# KiCad board backplane.kicad_pcb (continued)
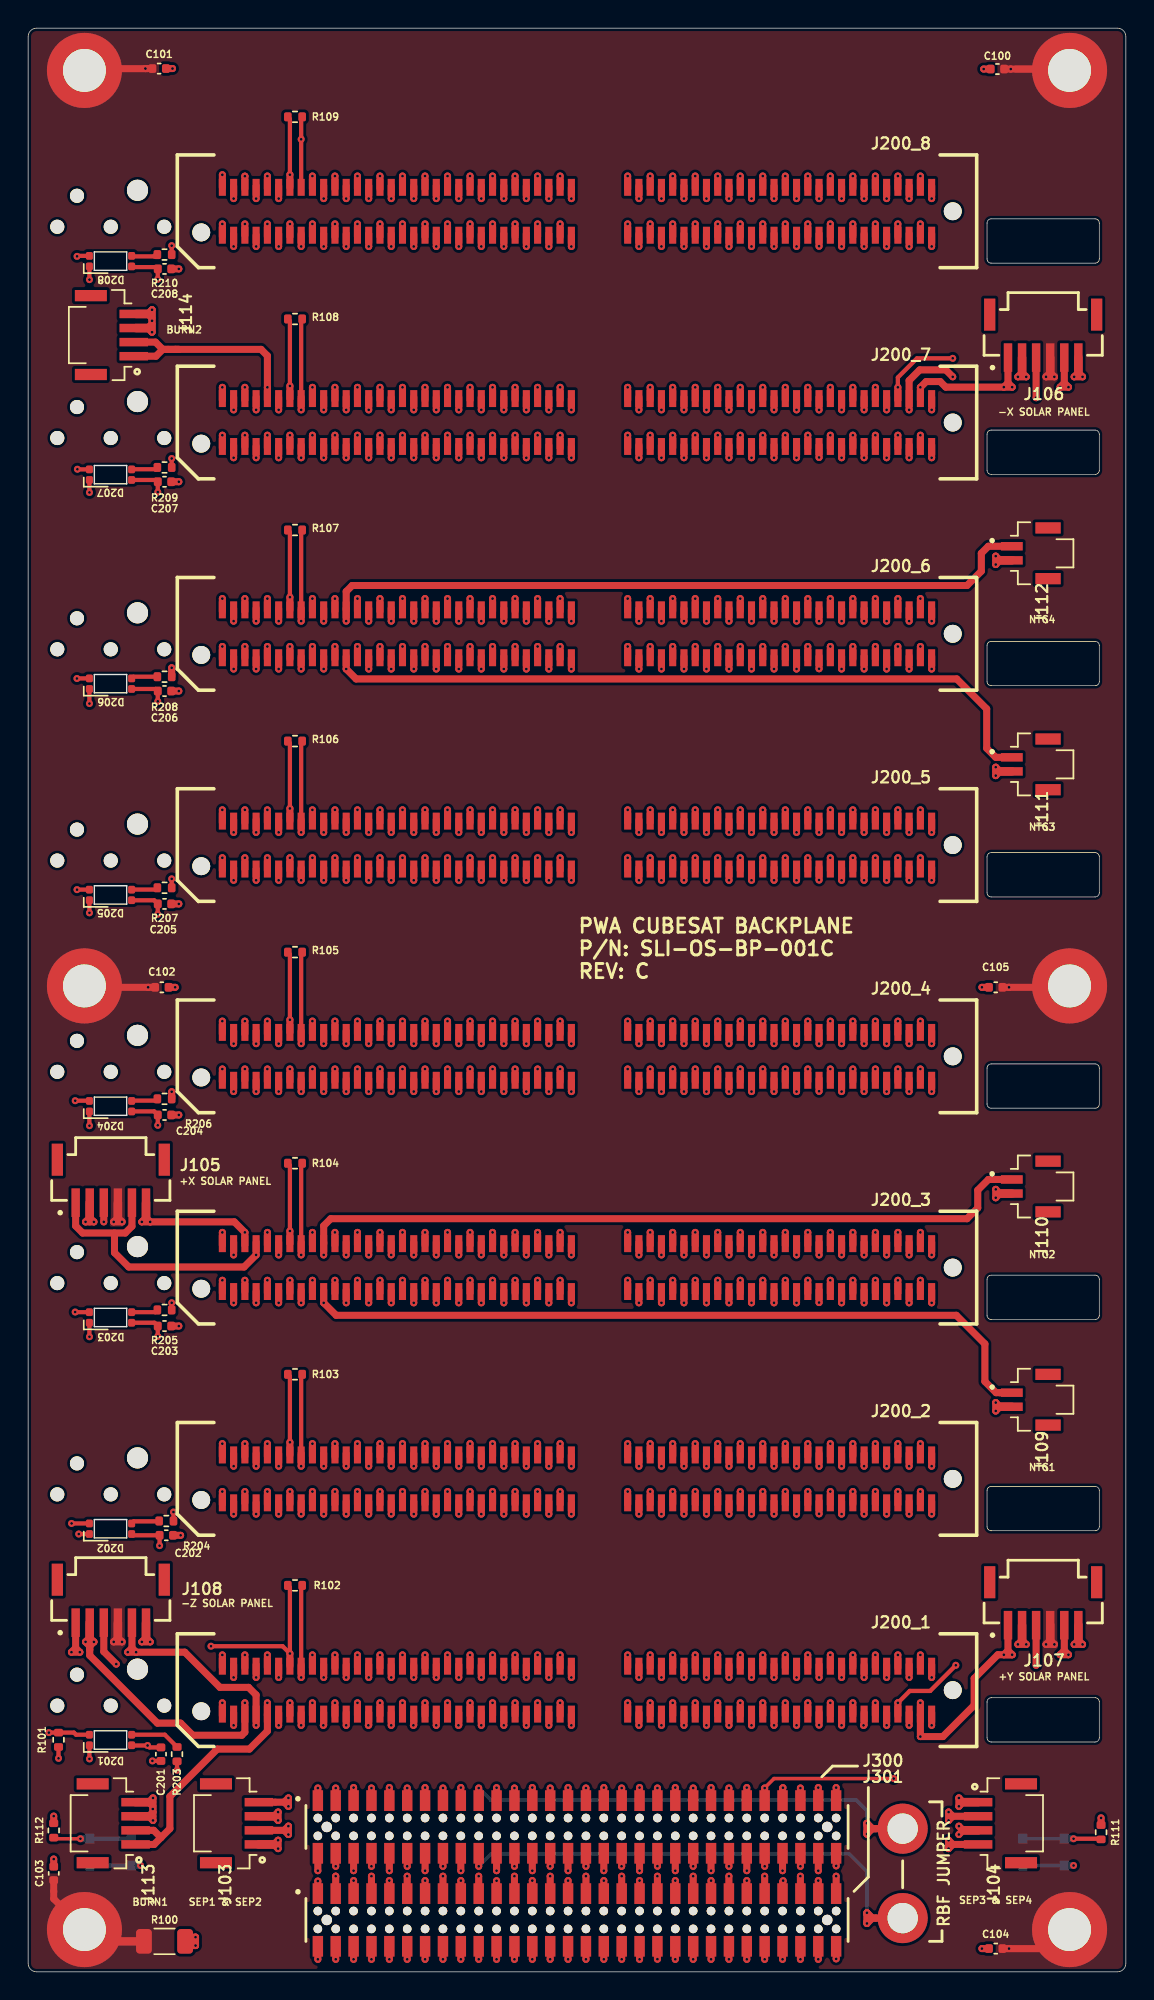
[diagram p0: board, top side]
## Routing (per net, layer and track width the routed paths; a pad name or vN(x,y) marks a point on that pad's centre or on a via; arc(x,y) is an arc through that point) (continued)
  In2.Cu w0.25: v1(22.6,20.9) 22.6,18.94 23.18,18.36 23.18,16.42 26.3,13.3 26.3,1.52 v1(26.94,0.89)
  In2.Cu w0.5: 22.6,110.9 22.6,108.68 21.8,107.87 21.8,107.3 22.6,106.5 v1(22.6,95.9) 22.6,93.68 21.8,92.87 21.8,92.3 22.6,91.5 v1(22.6,80.9) 22.6,78.68 21.8,77.87 21.8,77.3 22.6,76.5 v1(22.6,65.9) 22.6,63.68 21.8,62.87 21.8,62.3 22.6,61.5 v1(22.6,50.9) 22.6,48.68 21.8,47.87 21.8,47.3 22.6,46.5 v1(22.6,35.9) 22.6,33.68 21.8,32.87 21.8,32.3 22.6,31.5 v1(22.6,20.9) ; v1(22.6,125.9) 22.6,123.68 21.8,122.87 21.8,122.3 22.6,121.5 v1(22.6,110.9)
/RBF: length 163.8
  Top w0.5: v1(28.2,124.1) 28.2,123.2 ; v1(28.2,19.1) 28.2,18.2 ; 59.98,10.16 v1(59.6,9.78) ; 59.98,10.16 60.24,10.16 ; 59.98,10.16 v1(59.6,10.55) ; v1(59.6,9.78) v1(59.6,10.55) ; v1(59.6,9.78) 59.6,9.91 59.86,10.16 ; v1(28.2,109.1) 28.2,108.2 ; v1(59.6,10.55) 59.6,10.42 59.86,10.16 ; 59.86,10.16 60.24,10.16 ; v1(28.2,34.1) 28.2,33.2 ; v1(28.2,79.1) 28.2,78.2 ; P100.1 60.24,10.16 ; v1(28.2,94.1) 28.2,93.2 ; v1(28.2,64.1) 28.2,63.2 ; v1(28.2,49.1) 28.2,48.2 ; J300.19 v1(32.02,13.05)
  In1.Cu w0.25: v1(28.2,19.1) 28.2,16.86 v1(32.02,13.05)
  In1.Cu w0.5: v1(28.2,19.1) 28.2,21.3 29,22.1 29,31.5 28.2,32.3 v1(28.2,34.1) 28.2,36.3 29,37.1 29,46.5 ; v1(28.2,124.1) 28.2,122.3 29,121.5 29,112.1 28.2,111.3 v1(28.2,109.1) 28.2,107.3 29,106.5 29,97.1 28.2,96.3 v1(28.2,94.1) 28.2,92.3 29,91.5 29,82.1 28.2,81.3 v1(28.2,79.1) 28.2,77.3 29,76.5 29,67.1 28.2,66.3 v1(28.2,64.1) 28.2,62.3 29,61.5 29,52.1 28.2,51.3 v1(28.2,49.1) 28.2,47.3 29,46.5
  Bottom w0.25: v1(59.6,10.55) 59.6,11.44 58.84,12.2 32.87,12.2 v1(32.02,13.05)
  Bottom w0.5: P100.1 59.98,10.16 ; 59.98,10.16 v1(59.6,9.78) v1(59.6,10.55) 59.98,10.16
/RBF_RET: length 175
  Top w0.5: v1(28.2,22.5) 28.2,21.6 ; J300.20 v1(32.02,7.49) ; 59.86,3.81 59.6,4.07 v1(59.6,4.2) ; 59.86,3.81 60.24,3.81 ; 59.86,3.81 59.6,3.56 v1(59.6,3.43) ; 59.98,3.81 v1(59.6,3.43) ; 59.98,3.81 60.24,3.81 ; 59.98,3.81 v1(59.6,4.2) ; v1(59.6,3.43) v1(59.6,4.2) ; v1(28.2,82.5) 28.2,81.6 ; 60.24,3.81 P101.1 ; v1(28.2,67.5) 28.2,66.6 ; v1(28.2,127.5) 28.2,126.6 ; v1(28.2,97.5) 28.2,96.6 ; v1(28.2,37.5) 28.2,36.6 ; v1(28.2,112.5) 28.2,111.6 ; v1(28.2,52.5) 28.2,51.6
  In3.Cu w0.25: v1(32.02,7.49) 31.38,8.13 31.38,15.42 29.58,17.22 29.58,18.06 28.78,18.86 28.78,19.38 28.2,19.95 v1(28.2,22.5)
  In3.Cu w0.5: v1(28.2,22.5) 28.2,32.87 29,33.67 29,34.65 28.2,35.5 v1(28.2,37.5) 28.2,47.87 29,48.67 29,49.65 28.2,50.5 v1(28.2,52.5) 28.2,62.87 29,63.67 29,64.65 28.2,65.5 v1(28.2,67.5) 28.2,77.87 29,78.67 29,79.65 28.2,80.5 v1(28.2,82.5) 28.2,92.87 29,93.67 29,94.65 28.2,95.5 v1(28.2,97.5) 28.2,107.87 29,108.67 29,109.65 28.2,110.5 v1(28.2,112.5) 28.2,122.87 29,123.67 29,124.65 28.2,125.5 v1(28.2,127.5)
  Bottom w0.25: v1(32.02,7.49) 32.91,8.39 58.33,8.39 59.6,7.12 v1(59.6,4.2)
  Bottom w0.5: 59.98,3.81 v1(59.6,3.43) v1(59.6,4.2) 59.98,3.81 ; 59.98,3.81 P101.1
/SELF_TEST: length 151.7
  Top w0.25: v1(52.33,13.05) 52.33,13.06 53,13.72 v1(61.51,13.72)
  Top w0.5: v1(57,19.1) 57,18.2 ; v1(57,109.1) 57,108.2 ; v1(57,79.1) 57,78.2 ; J300.51 v1(52.33,13.05) ; v1(57,34.1) 57,33.2 ; R111.2 v1(76.24,10.93) ; v1(57,49.1) 57,48.2 ; v1(57,64.1) 57,63.2 ; v1(57,94.1) 57,93.2 ; v1(57,124.1) 57,123.2
  In1.Cu w0.25: v1(52.33,13.05) 55.91,16.62 56.16,16.62 57,17.46 v1(57,19.1) ; v1(61.51,13.72) 73.44,13.72 v1(76.24,10.93)
  In1.Cu w0.5: 57.8,46.5 57,47.3 v1(57,49.1) 57,51.3 57.8,52.1 57.8,61.5 57,62.3 v1(57,64.1) 57,66.3 57.8,67.1 57.8,76.5 57,77.3 v1(57,79.1) 57,81.3 57.8,82.1 57.8,91.5 57,92.3 v1(57,94.1) 57,96.3 57.8,97.1 57.8,106.5 57,107.3 v1(57,109.1) 57,111.3 57.8,112.1 57.8,121.5 57,122.3 v1(57,124.1) ; 57.8,46.5 57.8,37.1 57,36.3 v1(57,34.1) 57,32.3 57.8,31.5 57.8,22.1 57,21.3 v1(57,19.1)
/SEP1: length 135.7
  Top w0.5: v1(13.8,124.1) 13.8,123.2 ; v1(13.8,19.1) 13.8,18.2 ; v1(13.8,49.1) 13.8,48.2 ; v1(13.8,64.1) 13.8,63.2 ; 20.58,12.16 v1(20.58,13.05) ; v1(13.8,34.1) 13.8,33.2 ; v1(13.8,109.1) 13.8,108.2 ; v1(13.8,94.1) 13.8,93.2 ; v1(13.8,79.1) 13.8,78.2 ; v1(17.76,9.34) 17.46,9.05 v1(17.76,8.75) v1(17.76,9.34)
  Top w0.6: 17.46,9.05 J103.1
  In1.Cu w0.25: 17.4,13.05 13.8,16.65 v1(13.8,19.1) ; 17.4,13.05 17.06,12.71 17.06,10.05 v1(17.76,9.34) ; 17.4,13.05 v1(20.58,13.05)
  In1.Cu w0.5: 14.6,46.5 14.6,37.1 13.8,36.3 v1(13.8,34.1) 13.8,32.3 14.6,31.5 14.6,22.1 13.8,21.3 v1(13.8,19.1) ; v1(13.8,124.1) 13.8,122.3 14.6,121.5 14.6,112.1 13.8,111.3 v1(13.8,109.1) 13.8,107.3 14.6,106.5 14.6,97.1 13.8,96.3 v1(13.8,94.1) 13.8,92.3 14.6,91.5 14.6,82.1 13.8,81.3 v1(13.8,79.1) 13.8,77.3 14.6,76.5 14.6,67.1 13.8,66.3 v1(13.8,64.1) 13.8,62.3 14.6,61.5 14.6,52.1 13.8,51.3 v1(13.8,49.1) 13.8,47.3 14.6,46.5 ; v1(17.76,8.75) v1(17.76,9.34)
/SEP1_RET: length 138.5
  Top w0.5: v1(18.6,124.1) 18.6,123.2 ; v1(18.6,19.1) 18.6,18.2 ; J300.7 v1(24.39,13.05) ; 18.07,10.05 J103.2 ; v1(18.6,79.1) 18.6,78.2 ; v1(18.6,34.1) 18.6,33.2 ; v1(18.6,49.1) 18.6,48.2 ; v1(18.6,64.1) 18.6,63.2 ; v1(18.6,109.1) 18.6,108.2 ; v1(18.6,94.1) 18.6,93.2 ; v1(18.49,9.75) 18.2,10.05 v1(18.49,10.34) v1(18.49,9.75)
  In1.Cu w0.25: v1(18.49,10.34) 19.07,10.92 19.07,11.8 19.72,12.45 23.8,12.45 v1(24.39,13.05) 22.78,14.66 20.94,14.66 18.6,17 v1(18.6,19.1)
  In1.Cu w0.5: v1(18.6,124.1) 18.6,122.3 19.4,121.5 19.4,112.1 18.6,111.3 v1(18.6,109.1) 18.6,107.3 19.4,106.5 19.4,97.1 18.6,96.3 v1(18.6,94.1) 18.6,92.3 19.4,91.5 19.4,82.1 18.6,81.3 v1(18.6,79.1) 18.6,77.3 19.4,76.5 19.4,67.1 18.6,66.3 v1(18.6,64.1) 18.6,62.3 19.4,61.5 19.4,52.1 18.6,51.3 v1(18.6,49.1) 18.6,47.3 19.4,46.5 ; v1(18.6,19.1) 18.6,21.3 19.4,22.1 19.4,31.5 18.6,32.3 v1(18.6,34.1) 18.6,36.3 19.4,37.1 19.4,46.5 ; v1(18.49,9.75) v1(18.49,10.34)
/SEP2: length 141.3
  Top w0.5: v1(13.8,22.5) 13.8,21.6 ; 20.58,8.42 v1(20.58,7.18) ; v1(13.8,112.5) 13.8,111.6 ; v1(13.8,37.5) 13.8,36.6 ; v1(13.8,97.5) 13.8,96.6 ; v1(13.8,67.5) 13.8,66.6 ; v1(13.8,82.5) 13.8,81.6 ; J200_8.2 v1(13.8,127.59) ; v1(13.8,52.5) 13.8,51.6 ; v1(17.76,11.34) 17.46,11.05 v1(17.76,10.75) v1(17.76,11.34)
  Top w0.6: 17.46,11.05 J103.3
  In1.Cu w0.5: v1(17.76,10.75) v1(17.76,11.34)
  In3.Cu w0.25: v1(20.58,7.18) 18.01,7.18 17.18,8.01 17.18,10.17 v1(17.76,10.75) ; v1(17.76,11.34) 17.76,14.76 15.38,17.15 15.38,17.58 14.38,18.58 14.38,19.38 13.8,19.95 v1(13.8,22.5)
  In3.Cu w0.5: v1(13.8,22.5) 13.8,32.87 14.6,33.67 14.6,34.65 13.8,35.5 v1(13.8,37.5) 13.8,47.87 14.6,48.67 14.6,49.65 13.8,50.5 v1(13.8,52.5) 13.8,62.87 14.6,63.67 14.6,64.65 13.8,65.5 v1(13.8,67.5) 13.8,77.87 14.6,78.67 14.6,79.65 13.8,80.5 v1(13.8,82.5) 13.8,92.87 14.6,93.67 14.6,94.65 13.8,95.5 v1(13.8,97.5) 13.8,107.87 14.6,108.67 14.6,109.65 13.8,110.5 v1(13.8,112.5) 13.8,122.87 14.6,123.67 14.6,124.65 13.8,125.45 v1(13.8,127.59) ; v1(17.76,11.34) v1(17.76,10.75)
/SEP2_RET: length 157.6
  Top w0.5: v1(17.8,125.9) 17.8,126.8 ; v1(17.8,20.9) 17.8,21.8 ; v1(17.8,35.9) 17.8,36.8 ; 18.2,12.05 J103.4 ; 18.2,12.05 v1(18.49,11.75) v1(18.49,12.34) 18.2,12.05 ; v1(17.8,50.9) 17.8,51.8 ; v1(17.8,65.9) 17.8,66.8 ; v1(17.8,95.9) 17.8,96.8 ; v1(17.8,110.9) 17.8,111.8 ; J301.6 v1(23.12,0.89) ; v1(17.8,80.9) 17.8,81.8
  In1.Cu w0.5: v1(18.49,11.75) v1(18.49,12.34)
  In2.Cu w0.25: v1(23.12,0.89) 22.49,1.52 22.49,13.59 18.38,17.71 18.38,18.24 17.8,18.82 v1(17.8,20.9)
  In2.Cu w0.5: 17.8,50.9 17.8,48.67 17,47.87 17,47.3 17.8,46.5 v1(17.8,35.9) 17.8,33.68 17,32.87 17,32.3 17.8,31.5 v1(17.8,20.9) ; 17.8,110.9 17.8,108.67 17,107.87 17,107.3 17.8,106.5 v1(17.8,95.9) 17.8,93.68 17,92.87 17,92.3 17.8,91.5 v1(17.8,80.9) 17.8,78.68 17,77.87 17,77.3 17.8,76.5 v1(17.8,65.9) 17.8,63.68 17,62.87 17,62.3 17.8,61.5 v1(17.8,50.9) ; v1(17.8,125.9) 17.8,123.68 17,122.87 17,122.3 17.8,121.5 v1(17.8,110.9)
  In3.Cu w0.25: v1(23.12,0.89) 22.49,1.52 22.49,4.91 21.25,6.16 21.25,7.62 20.49,8.39 19.72,8.39 19.09,9.02 19.09,11.15 v1(18.49,11.75)
  In3.Cu w0.5: v1(18.49,12.34) v1(18.49,11.75)
/SEP3: length 148.9
  Top w0.5: v1(64.2,17.5) 64.2,18.4 ; 57.42,5.55 57.42,6.79 ; v1(64.2,107.5) 64.2,108.4 ; v1(64.2,47.5) 64.2,48.4 ; v1(64.2,92.5) 64.2,93.4 ; v1(64.2,77.5) 64.2,78.4 ; v1(64.2,62.5) 64.2,63.4 ; v1(64.2,32.5) 64.2,33.4 ; v1(64.2,122.5) 64.2,123.4 ; v1(66.14,11.75) 66.43,12.05 v1(66.14,12.34) v1(66.14,11.75)
  Top w0.6: 66.43,12.05 J104.1
  In1.Cu w0.25: v1(57.41,6.79) 57.88,6.79 58.84,7.75 58.84,11.18 60.62,12.96 65.52,12.96 v1(66.14,12.34)
  In1.Cu w0.5: v1(66.14,11.75) v1(66.14,12.34)
  In4.Cu w0.25: v1(57.41,6.79) 57.77,6.79 58.56,7.58 58.56,11.86 62.03,15.33 62.88,15.33 64.2,16.65 v1(64.2,17.5)
  In4.Cu w0.5: v1(64.2,122.5) 64.2,112.1 63.4,111.3 63.4,110.28 64.2,109.48 v1(64.2,107.5) 64.2,97.1 63.4,96.3 63.4,95.28 64.2,94.48 v1(64.2,92.5) 64.2,82.1 63.4,81.3 63.4,80.28 64.2,79.48 v1(64.2,77.5) 64.2,67.1 63.4,66.3 63.4,65.28 64.2,64.48 v1(64.2,62.5) 64.2,52.1 63.4,51.3 63.4,50.28 64.2,49.48 v1(64.2,47.5) ; v1(64.2,17.5) 64.2,19.47 63.4,20.28 63.4,21.3 64.2,22.1 v1(64.2,32.5) 64.2,34.47 63.4,35.28 63.4,36.3 64.2,37.1 64.2,47.5
/SEP3_RET: length 151.2
  Top w0.5: v1(61,32.5) 61,33.4 ; v1(61,47.5) 61,48.4 ; v1(61,107.5) 61,108.4 ; 65.83,11.05 J104.2 ; v1(61,92.5) 61,93.4 ; J301.55 54.88,6.79 ; 61,18.4 61,17.5 v1(61,17.5) ; v1(61,122.5) 61,123.4 ; v1(61,62.5) 61,63.4 ; v1(61,77.5) 61,78.4 ; v1(65.4,10.75) 65.7,11.05 v1(65.4,11.34) v1(65.4,10.75)
  In1.Cu w0.25: v1(65.4,10.75) 64.81,10.15 64.81,8.9 63.16,7.24 59.6,7.24 58.2,5.85 55.82,5.85 v1(54.87,6.79)
  In1.Cu w0.5: v1(65.4,11.34) v1(65.4,10.75)
  In4.Cu w0.25: v1(61,17.5) 58.16,14.66 55.18,14.66 54.24,13.72 54.24,7.07 54.52,6.79 v1(54.87,6.79)
  In4.Cu w0.5: 61,47.5 61,37.1 60.2,36.3 60.2,35.28 61,34.47 v1(61,32.5) 61,22.1 60.2,21.3 60.2,20.28 61,19.47 v1(61,17.5) ; v1(61,47.5) 61,49.48 60.2,50.28 60.2,51.3 61,52.1 v1(61,62.5) 61,64.48 60.2,65.28 60.2,66.3 61,67.1 v1(61,77.5) 61,79.48 60.2,80.28 60.2,81.3 61,82.1 v1(61,92.5) 61,94.48 60.2,95.28 60.2,96.3 61,97.1 v1(61,107.5) 61,109.48 60.2,110.28 60.2,111.3 61,112.1 v1(61,122.5)
/SEP4: length 161
  Top w0.5: v1(64.2,125.9) 64.2,126.8 ; v1(64.2,20.9) 64.2,21.8 ; 57.42,1.81 v1(57.42,0.92) ; v1(66.14,10.34) 66.43,10.05 v1(66.14,9.75) ; v1(64.2,50.9) 64.2,51.8 ; v1(64.2,35.9) 64.2,36.8 ; v1(64.2,65.9) 64.2,66.8 ; v1(64.2,80.9) 64.2,81.8 ; v1(64.2,95.9) 64.2,96.8 ; v1(64.2,110.9) 64.2,111.8
  Top w0.6: 66.43,10.05 J104.3
  In1.Cu w0.25: v1(66.14,9.75) 66.14,2.6 64.46,0.92 v1(57.42,0.92)
  In1.Cu w0.5: v1(66.14,10.34) v1(66.14,9.75)
  In2.Cu w0.25: v1(57.42,0.92) 58.18,1.68 58.18,12.32 58.18,12.32 61.99,16.13 63.68,16.13 64.78,17.23 64.78,18.02 64.2,18.6 v1(64.2,20.9)
  In2.Cu w0.5: v1(64.2,125.9) 64.2,123.68 63.4,122.87 63.4,122.3 64.2,121.5 v1(64.2,110.9) ; 64.2,110.9 64.2,108.68 63.4,107.87 63.4,107.3 64.2,106.5 v1(64.2,95.9) 64.2,93.68 63.4,92.87 63.4,92.3 64.2,91.5 v1(64.2,80.9) 64.2,78.68 63.4,77.87 63.4,77.3 64.2,76.5 v1(64.2,65.9) 64.2,63.68 63.4,62.87 63.4,62.3 64.2,61.5 v1(64.2,50.9) 64.2,48.68 63.4,47.87 63.4,47.3 64.2,46.5 v1(64.2,35.9) 64.2,33.68 63.4,32.87 63.4,32.3 64.2,31.5 v1(64.2,20.9)
/SEP4_RET: length 161.5
  Top w0.5: v1(61,20.9) 61,21.8 ; J301.56 v1(54.88,0.89) ; v1(61,95.9) 61,96.8 ; 65.7,9.05 v1(65.4,9.34) v1(65.4,8.75) 65.7,9.05 ; 65.7,9.05 J104.4 ; v1(61,35.9) 61,36.8 ; v1(61,80.9) 61,81.8 ; v1(61,50.9) 61,51.8 ; v1(61,110.9) 61,111.8 ; v1(61,65.9) 61,66.8 ; v1(61,125.9) 61,126.8
  In1.Cu w0.25: v1(65.4,8.75) 63.39,6.74 60.24,6.74 58.84,5.34 56.05,5.34 55.51,4.81 55.51,1.53 v1(54.88,0.89)
  In1.Cu w0.5: v1(65.4,9.34) v1(65.4,8.75)
  In2.Cu w0.25: v1(61,20.9) 61,18.94 60.42,18.36 60.42,17.7 58.28,15.56 56.34,15.56 54.24,13.46 54.24,1.52 v1(54.88,0.89)
  In2.Cu w0.5: v1(61,125.9) 61,123.68 60.2,122.87 60.2,122.3 61,121.5 v1(61,110.9) ; 61,110.9 61,108.68 60.2,107.87 60.2,107.3 61,106.5 v1(61,95.9) 61,93.68 60.2,92.87 60.2,92.3 61,91.5 v1(61,80.9) 61,78.68 60.2,77.87 60.2,77.3 61,76.5 v1(61,65.9) 61,63.68 60.2,62.87 60.2,62.3 61,61.5 v1(61,50.9) 61,48.68 60.2,47.87 60.2,47.3 61,46.5 v1(61,35.9) 61,33.68 60.2,32.87 60.2,32.3 61,31.5 v1(61,20.9)
/VBURN1: length 144.6
  Top w0.5: v1(17,124.1) 17,123.2 ; v1(17,19.1) 17,18.2 ; 9.44,9.53 8.95,9.05 J113.1 ; 9.44,9.53 10.07,10.16 10.07,12.45 13.44,15.82 15.72,15.82 17,17.09 J200_1.9 ; 9.44,9.53 8.92,10.05 J113.2 ; v1(17,109.1) 17,108.2 ; v1(17,34.1) 17,33.2 ; v1(17,49.1) 17,48.2 ; v1(17,94.1) 17,93.2 ; v1(17,79.1) 17,78.2 ; v1(17,64.1) 17,63.2 ; J300.5 v1(23.12,13.08)
  In1.Cu w0.25: v1(23.12,13.08) 22.13,14.08 20.36,14.08 17,17.45 v1(17,19.1)
  In1.Cu w0.5: 17.8,46.5 17.8,37.1 17,36.3 v1(17,34.1) 17,32.3 17.8,31.5 17.8,22.1 17,21.3 v1(17,19.1) ; v1(17,124.1) 17,122.3 17.8,121.5 17.8,112.1 17,111.3 v1(17,109.1) 17,107.3 17.8,106.5 17.8,97.1 17,96.3 v1(17,94.1) 17,92.3 17.8,91.5 17.8,82.1 17,81.3 v1(17,79.1) 17,77.3 17.8,76.5 17.8,67.1 17,66.3 v1(17,64.1) 17,62.3 17.8,61.5 17.8,52.1 17,51.3 v1(17,49.1) 17,47.3 17.8,46.5
/VBURN2: length 151.6
  Top w0.5: v1(17,22.5) 17,21.6 ; 10.45,115.19 10.71,115.19 9.56,115.19 ; 10.45,115.19 9.56,115.19 ; 10.45,115.19 16.55,115.19 17,114.74 v1(17,112.5) 17,111.6 ; J114.2 9.05,115.71 9.56,115.19 ; 9.56,115.19 9.08,114.71 J114.1 ; J300.6 v1(23.12,7.18) ; v1(17,67.5) 17,66.6 ; v1(17,97.5) 17,96.6 ; v1(17,127.5) 17,126.6 ; v1(17,82.5) 17,81.6 ; v1(17,52.5) 17,51.6 ; v1(17,37.5) 17,36.6
  In3.Cu w0.25: v1(17,22.5) 17,19.95 17.58,19.38 17.58,18.82 18.38,18.02 18.38,17.51 22.49,13.4 22.49,7.81 v1(23.12,7.18)
  In3.Cu w0.5: v1(17,22.5) 17,32.87 17.8,33.67 17.8,34.65 17,35.5 v1(17,37.5) 17,47.87 17.8,48.67 17.8,49.65 17,50.5 v1(17,52.5) 17,62.87 17.8,63.67 17.8,64.65 17,65.5 v1(17,67.5) 17,77.87 17.8,78.67 17.8,79.65 17,80.5 v1(17,82.5) 17,92.87 17.8,93.67 17.8,94.65 17,95.5 v1(17,97.5) 17,107.87 17.8,108.67 17.8,109.65 17,110.5 v1(17,112.5) 17,122.87 17.8,123.67 17.8,124.65 17,125.5 v1(17,127.5)
Net-(D201-DIN): length 3.6
  Top w0.3: 7.36,16.84 9.71,16.84 R203.2
Net-(D202-DIN): length 2
  Top w0.3: 9.28,31.99 7.5,31.99 7.36,31.84
Net-(D202-DOUT): length 26.8
  Top w0.3: v1(3.09,31.84) D202.2 ; 10.58,14.94 v1(10.58,14.31)
  In1.Cu w0.25: v1(10.58,14.31) 4.29,14.31 3.21,15.38 3.21,19.56 2.33,20.45 2.33,31.07 v1(3.09,31.84)
Net-(D203-DIN): length 1.9
  Top w0.3: 7.36,46.84 9.02,46.84 R205.2
Net-(D203-DOUT): length 19.5
  Top w0.25: 3.35,46.84 v1(3.34,46.85)
  Top w0.3: R204.1 10.33,32.64 ; D203.2 3.35,46.84
  In1.Cu w0.25: v1(3.34,46.85) 3.34,38.4 9.1,32.64 v1(10.33,32.64)
Net-(D204-DIN): length 1.9
  Top w0.3: 7.38,61.85 9.05,61.85 9.18,61.98
Net-(D204-DOUT): length 20.4
  Top w0.3: 10.2,46.87 10.2,47.5 ; v1(3.34,61.85) 4.34,61.85
  In1.Cu w0.25: v1(3.34,61.85) 2.8,61.3 2.8,53.01 3.48,52.33 4.57,52.33 9.4,47.5 v1(10.2,47.5)
Net-(D205-DIN): length 1.9
  Top w0.3: R207.2 9.05,76.84 7.36,76.84
Net-(D205-DOUT): length 20.9
  Top w0.25: 10.2,61.98 v1(10.2,62.49)
  Top w0.3: v1(3.47,76.84) D205.2
  Top w0.5: 10.2,61.98 v1(10.2,62.49)
  In1.Cu w0.25: v1(3.47,76.84) 3.5,76.81 3.5,74.9 4,74.4 6,74.4 9.1,71.3 9.1,65.2 8.67,64.78 8.67,63.38 9.56,62.49 v1(10.2,62.49)
Net-(D206-DIN): length 1.7
  Top w0.3: R208.2 7.47,91.95
Net-(D206-DOUT): length 19.2
  Top w0.25: 3.48,91.83 v1(3.47,91.83)
  Top w0.3: D206.2 3.48,91.83 ; v1(10.2,77.6) 10.2,77.6 10.2,76.84
  In1.Cu w0.25: v1(10.2,77.6) 9.3,77.6 3.5,83.4 3.5,91.79 v1(3.47,91.83)
Net-(D207-DIN): length 1.9
  Top w0.3: 7.37,106.69 9.05,106.69 R209.2
Net-(D207-DOUT): length 18.9
  Top w0.25: 3.51,106.67 v1(3.5,106.69)
  Top w0.3: D207.2 3.51,106.67
  Top w0.5: 10.2,91.95 10.2,92.59
  In1.Cu w0.25: v1(3.5,106.69) 3.5,98.4 9.31,92.59 v1(10.2,92.59)
Net-(D208-DIN): length 1.8
  Top w0.3: 7.39,121.8 8.94,121.8 9.12,121.98
Net-(D208-DOUT): length 19.2
  Top w0.25: 3.51,121.83 v1(3.47,121.8)
  Top w0.3: 10.2,106.81 10.2,107.45 ; D208.2 3.51,121.83
  In1.Cu w0.25: v1(10.2,107.45) 9.31,107.45 3.47,113.28 v1(3.47,121.8)
Net-(R111-Pad1): length 5.5
  Top w0.3: 76.19,9.45 v1(74.28,9.45)
  Bottom w0.25: SW101.2 SW101.2
  Bottom w0.5: SW101.2 v1(74.28,9.45)
Net-(R112-Pad1): length 5.4
  Top w0.25: v1(3.72,9.45) 1.9,9.45
  Bottom w0.3: SW100.2 SW100.2
  Bottom w0.5: SW100.2 v1(3.72,9.45)

## Copper pours and planes (outline as drawn; the poured copper is in the pictures)
GND on In1.Cu, In2.Cu, In3.Cu, In4.Cu: 78.5,138 78.5,0 -0.5,0 -0.5,138
/CHS on Top, Bottom: 78.5,138 78.5,0 -0.5,0 -0.5,138

## Text on the board
B.Silkscreen: RESET | SEP1 | SEP2 | SEP1_RET | SEP2_RET | RBF_RET | RBF | SEP3_RET | SEP4_RET | SEP3 | SEP4 | SELF TEST | BACKPLANE BREAKOUT
User.Comments: Copper Layer Count: | Board overall dimensions: | Min track/spacing: | Copper Finish: | Castellated pads: | Edge card connectors: | 6 | 78.0000 mm x 138.0000 mm | 0.2032 mm / 0.2032 mm | Immersion gold | No | Board Thickness: | Min hole diameter: | Impedance Control: | Plated Board Edge: | 1.6000 mm | 0.2000 mm | D101-D108 are mounted upside-down. / Assemble with leaded solder. / Fabricate on polyimide. / 2oz outer, 2oz inner copper. | BOARD CHARACTERISTICS | NOTES:
User.Drawings: 2oz copper all layers
F.Mask: HILLIS | KORNOWSKI
F.Silkscreen: BURN1 | BURN2 | +X SOLAR PANEL | SEP1 & SEP2 | -Z SOLAR PANEL | SEP3 & SEP4 | NTC4 | NTC3 | NTC2 | NTC1 | -X SOLAR PANEL | +Y SOLAR PANEL | RBF JUMPER | PWA CUBESAT BACKPLANE / P/N: SLI-OS-BP-001C / REV: C
